# Altium PCB 主控板20160428.PcbDoc (part 1 of 2)
Units mm, origin at the board's own origin, x right, y up, seen from the top; angles counter-clockwise.
Board outline 105 x 80 mm, 2 copper layers (Top Layer, Bottom Layer); 169 components, 200 nets, 742 pads, 250 vias.
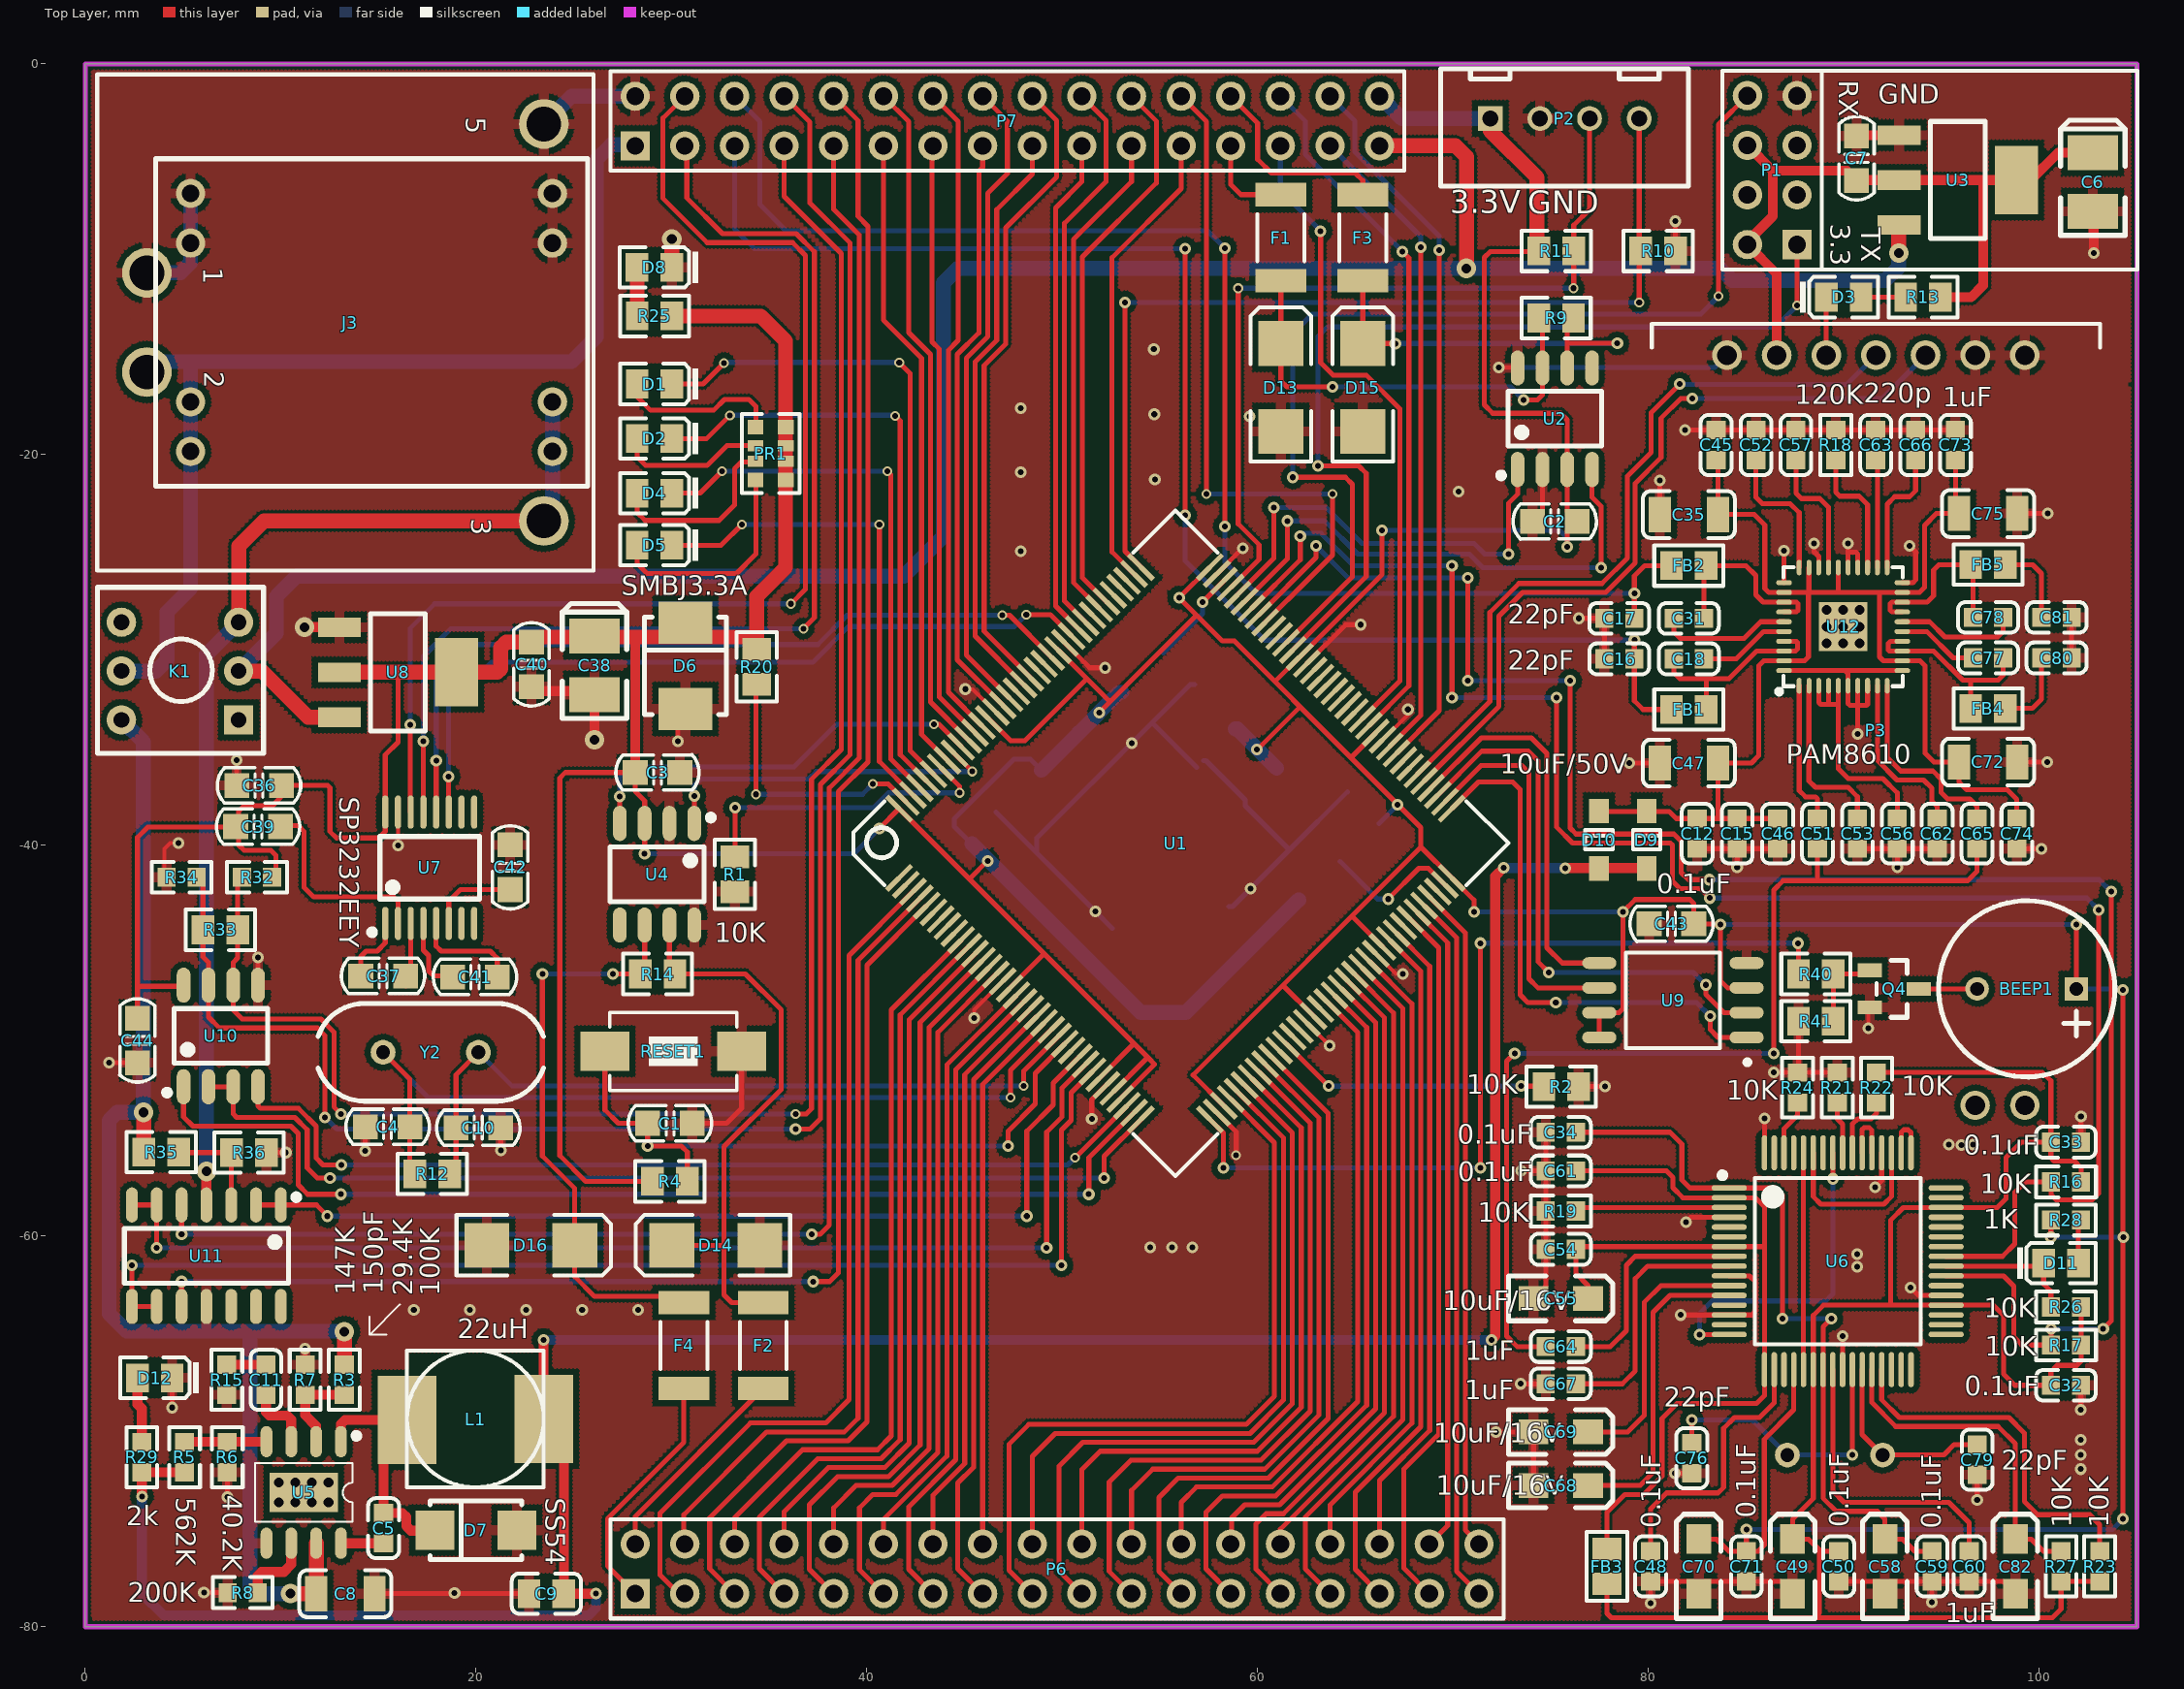
[diagram p0: Top Layer view]
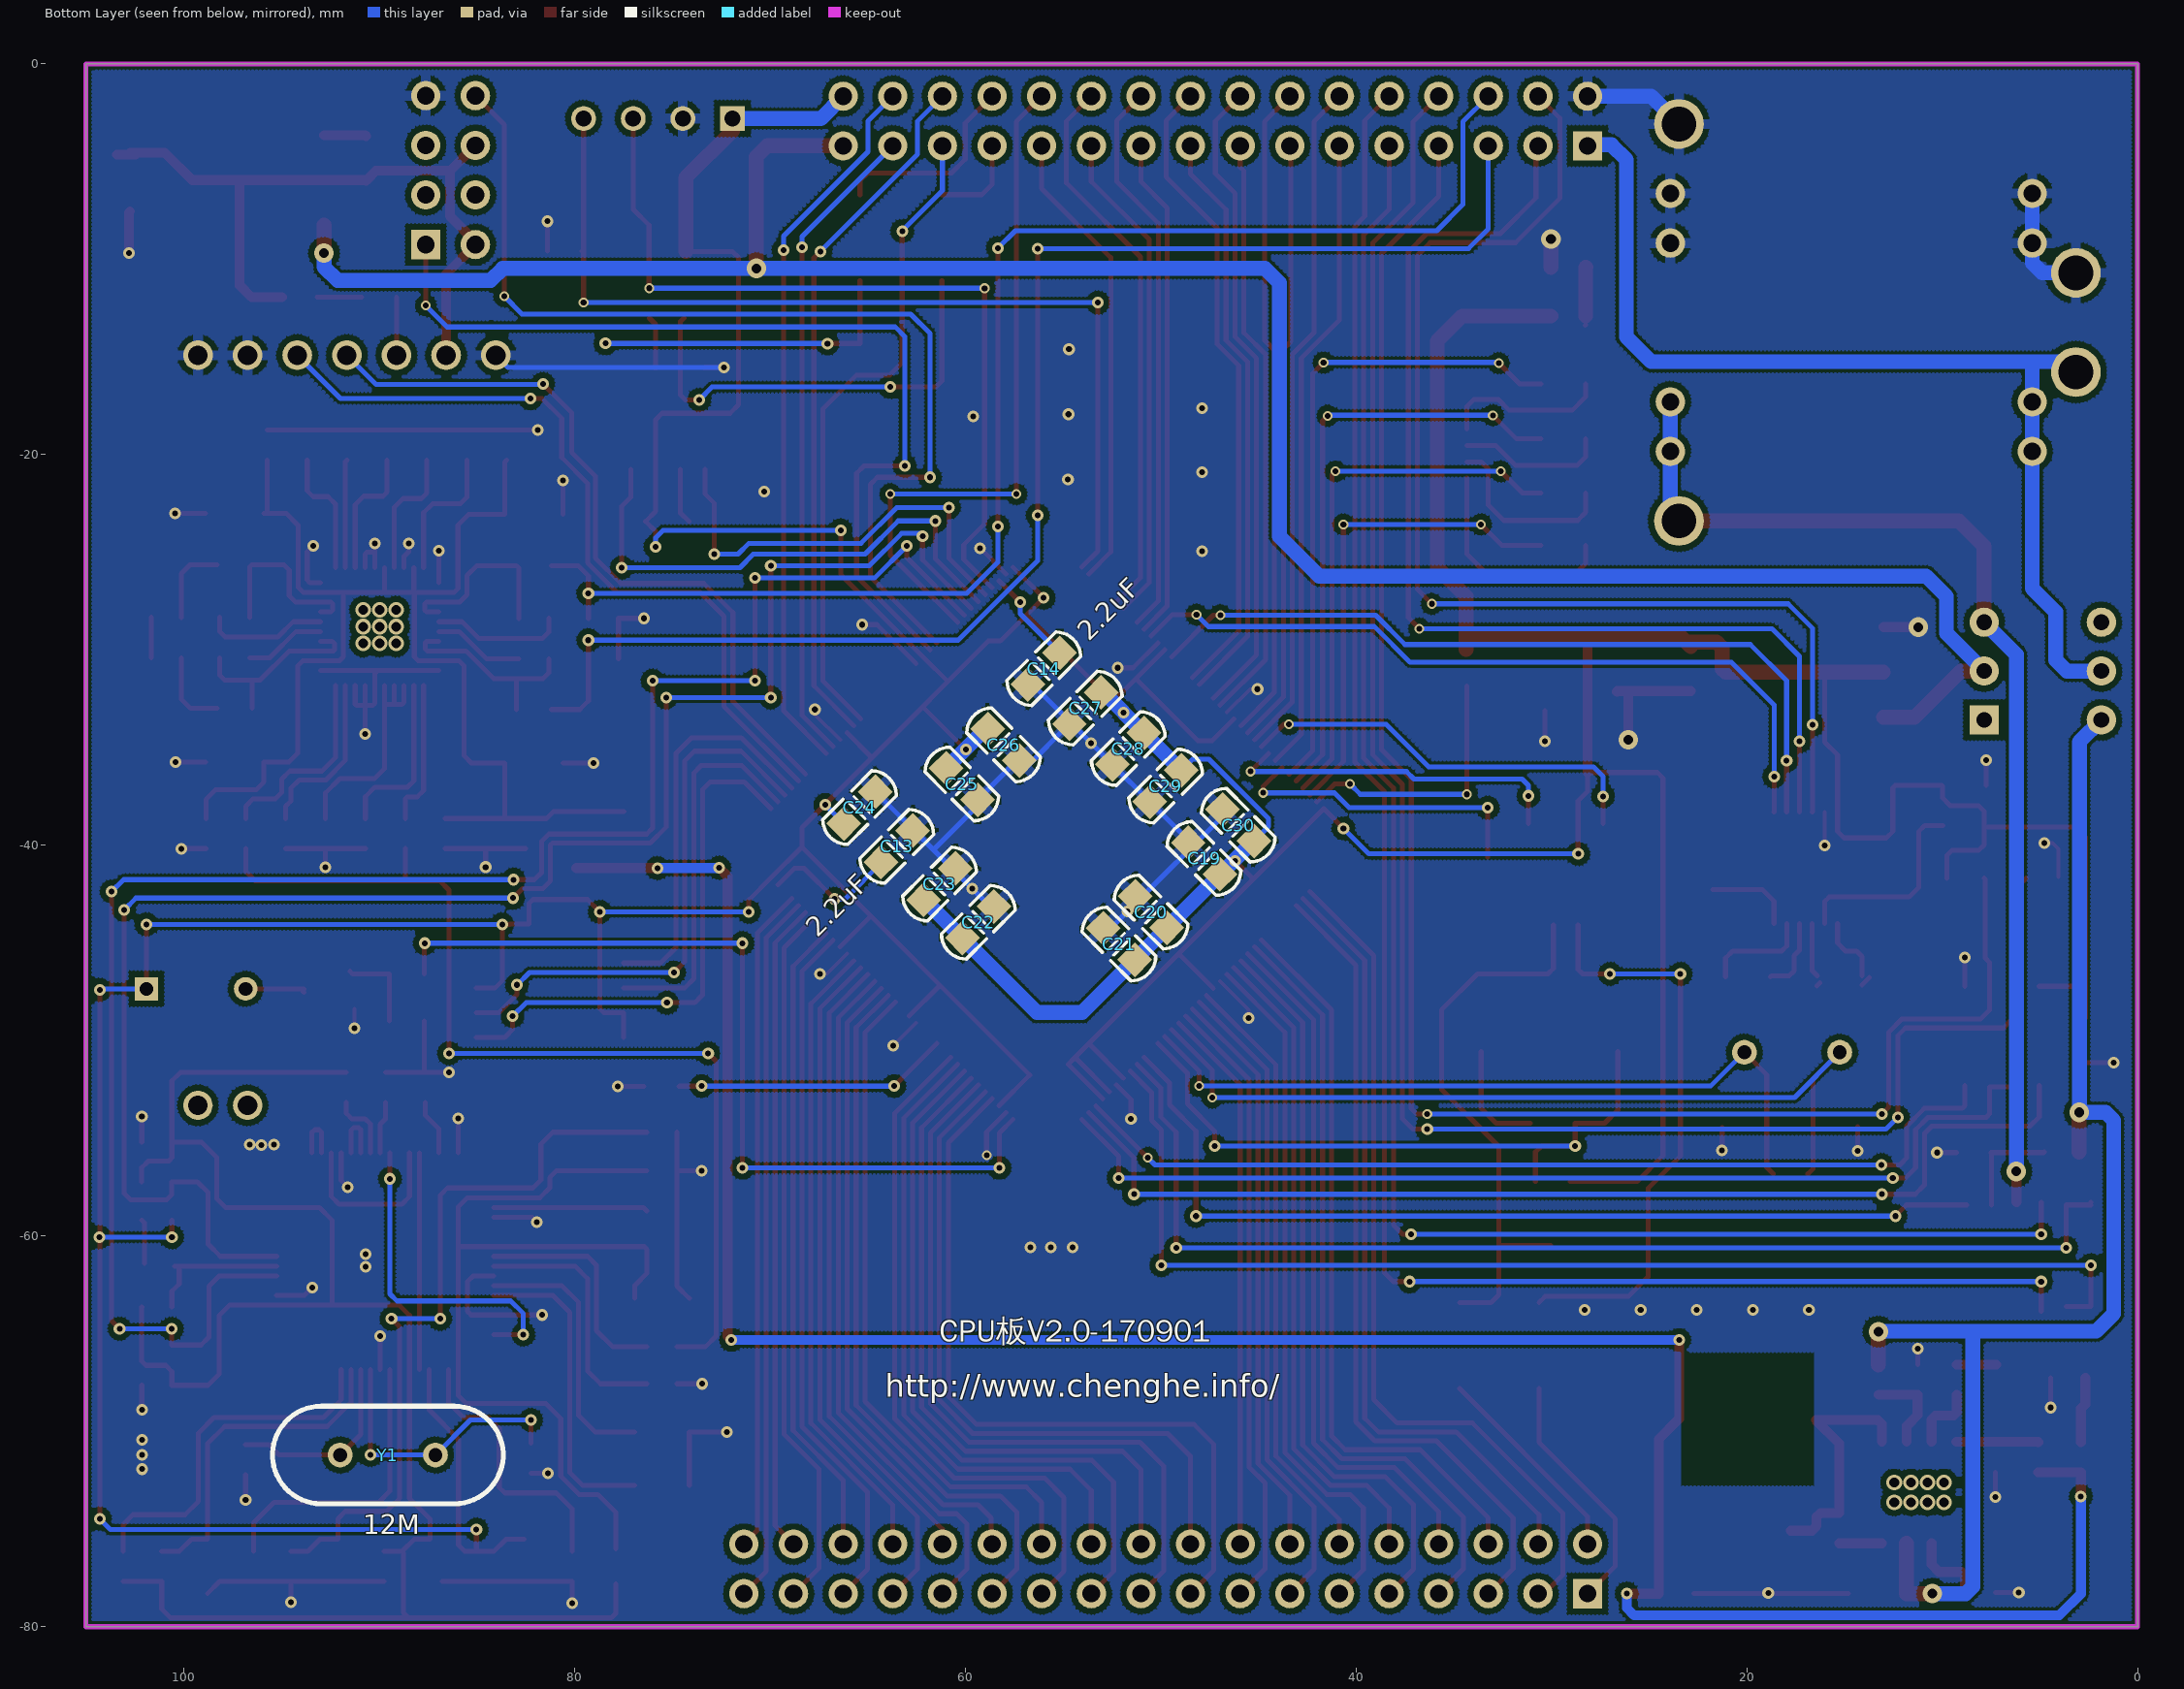
[diagram p1: Bottom Layer view, seen from below]
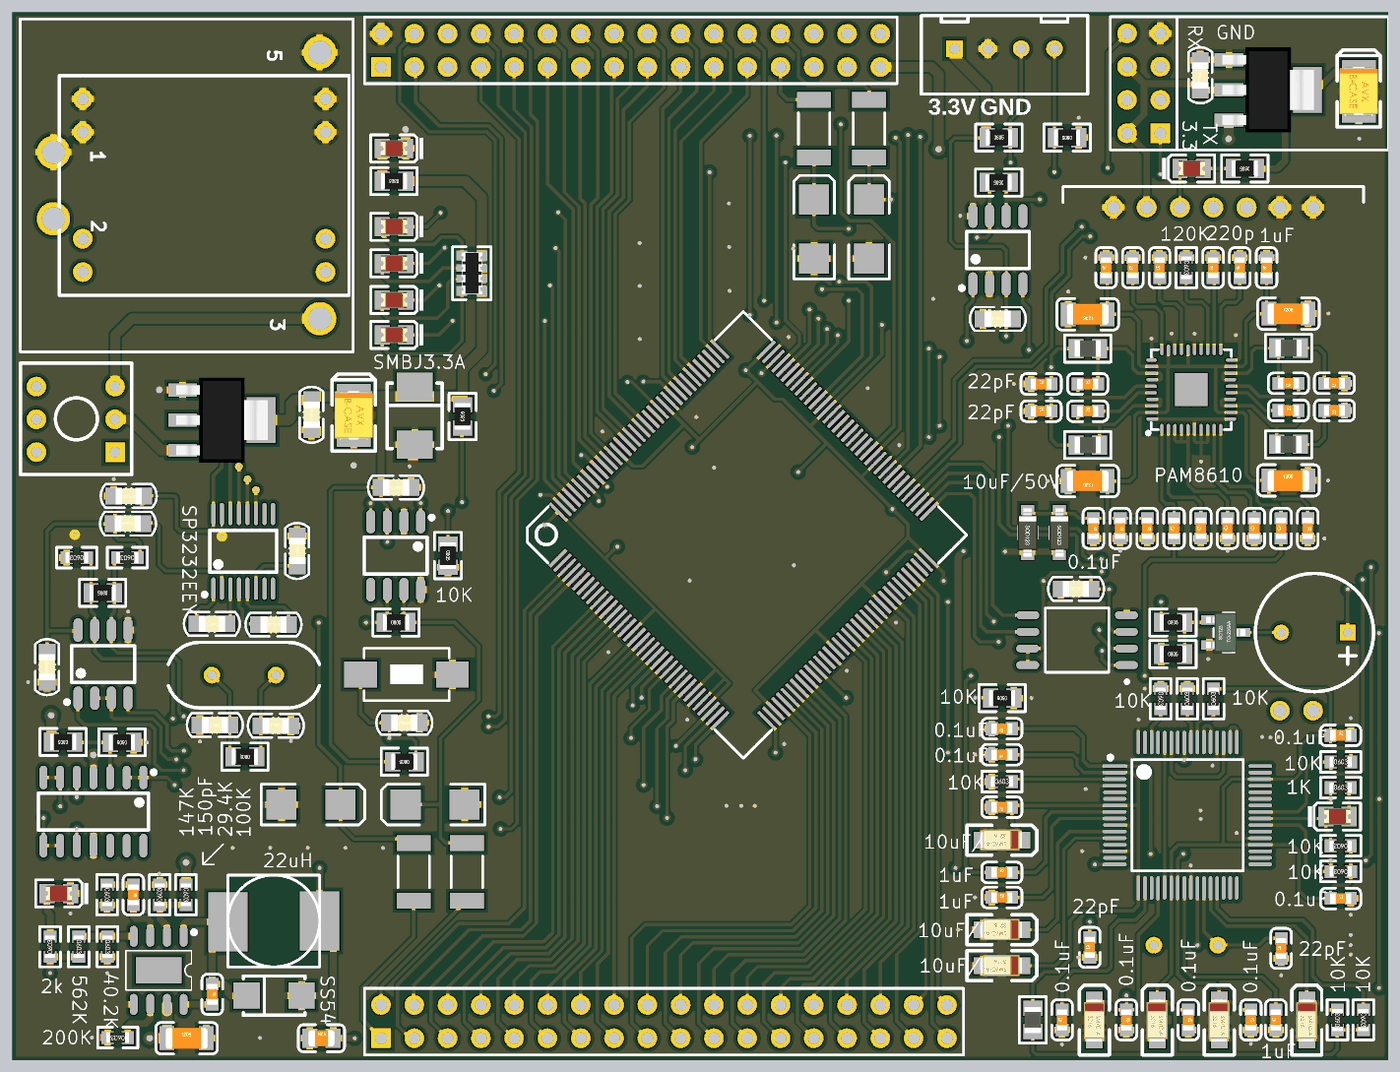
[diagram p3: 3D render of the assembled board from above, using the file's embedded part models]
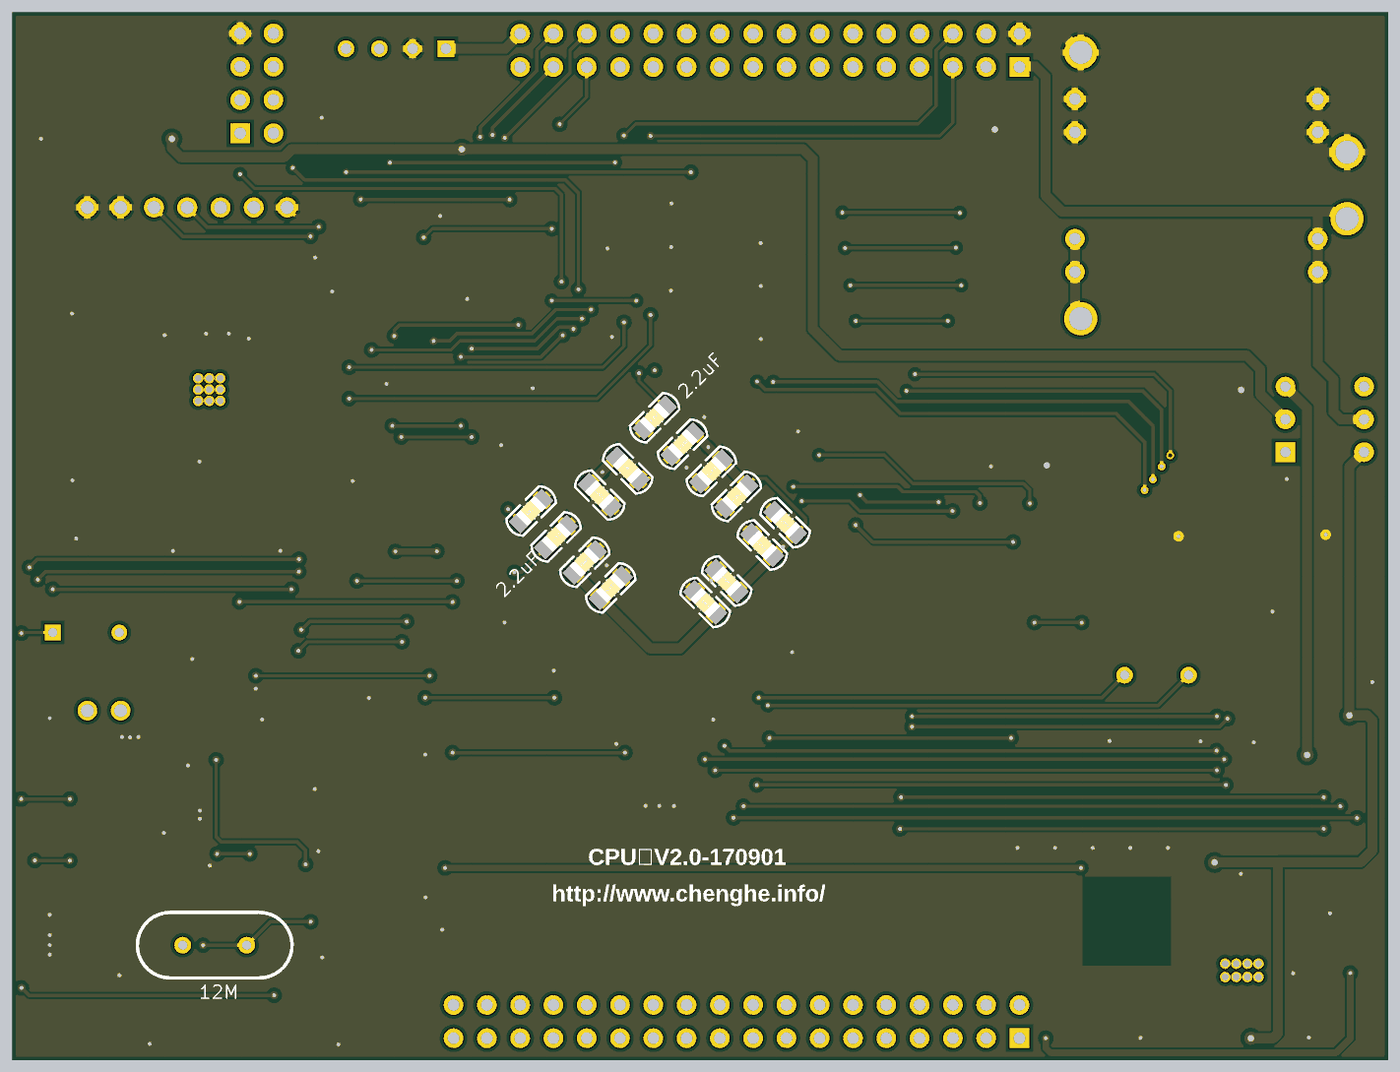
[diagram p4: 3D render of the assembled board from below, using the file's embedded part models]

## Layer stack, top to bottom
Top Layer: signal copper 0.0356
Dielectric: core 0.32, FR-4, Dk 4.8
Bottom Layer: signal copper 0.0356

## Board outline
0,0 105,0 105,-80 0,-80 0,0

## Design rules (kind name [scope] priority, off if disabled: settings)
Clearance ispad [IsPad vs InPolygon] p1: gap=0.3
Clearance isvia [IsVia vs InPolygon] p2: gap=0.3
Clearance [All] p3: gap=0.152
HoleToHoleClearance [All] p1: gap=0.102 allowstackedmicrovias=TRUE
MinimumSolderMaskSliver [All] p1: minsoldermaskwidth=0
PolygonConnect PolygonConnect_1 [IsVia] p1: connectstyle=Direct reliefconductorwidth=0.254 reliefentries=4 polygonreliefangle="90 Angle"
PolygonConnect [IsPad] p2: connectstyle=Relief reliefconductorwidth=0.508 reliefentries=4 polygonreliefangle="90 Angle"
RoutingVias [All] p1: holewidth=0.711 width=1.27 viastyle="Through Hole" minholewidth=0.25 minwidth=0.5 maxholewidth=0.711 maxwidth=1.27
SilkToSilkClearance [All] p1: silktosilkclearance=-1
SilkscreenOverComponentPads [IsPad] p1: minsilkscreentomaskgap=-1
SolderMaskExpansion [All] p1: expansion=0.102
Width [All] p1: maxlimit=2.54 minlimit=0.152 preferedwidth=0.254
24 further rules are at their usual default settings.

## Components (designator, comment, footprint, x,y, rotation, side; value= is the part's Value field where it differs from the comment)
BEEP1 "BEEP" BELL-5 101.905,-47.346 r180 top
C1 "0.1uF" C0805 29.921,-54.229 r0 top
C2 "104" C0805 75.209,-23.419 r180 top
C3 "104" C0805 29.286,-36.271 r0 top
C4 "22pF" C0805 15.469,-54.407 r0 top
C5 "0.1uF" 0603_C 15.265,-74.955 r270 top
C6 "100uF/6.3V" CASE-B_3528 102.743,-6.045 r90 top
C7 "0.1uF" C0805 90.653,-4.826 r270 top
C8 "10uF/50V" 1206_C 13.31,-78.308 r0 top
C9 "22uF/25V" 0805_C 23.597,-78.308 r0 top
C10 "22pF" C0805 20.117,-54.458 r180 top
C11 "150pF" 0603_C 9.246,-67.361 r270 top
C12 "0.1uF" 0603_C 82.499,-39.401 r270 top
C13 "2.2uF" C0805 63.495,-40.051 r135 bottom
C14 "2.2uF" C0805 55.977,-30.958 r315 bottom
C15 "1uF" 0603_C 84.541,-39.401 r270 top
C16 "22pF" 0603_C 78.511,-30.455 r0 top
C17 "22pF" 0603_C 78.511,-28.38 r0 top
C18 "1uF" 0603_C 82.067,-30.455 r0 top
C19 "0.1uF" C0805 47.773,-40.67 r225 bottom
C20 "0.1uF" C0805 50.484,-43.413 r225 bottom
C21 "0.1uF" C0805 52.125,-45.055 r225 bottom
C22 "0.1uF" C0805 59.33,-43.937 r315 bottom
C23 "0.1uF" C0805 61.311,-41.982 r315 bottom
C24 "0.1uF" C0805 65.4,-38.07 r315 bottom
C25 "0.1uF" C0805 60.168,-36.86 r45 bottom
C26 "0.1uF" C0805 58.034,-34.853 r45 bottom
C27 "0.1uF" C0805 53.853,-32.974 r135 bottom
C28 "0.1uF" C0805 51.652,-35.047 r135 bottom
C29 "0.1uF" C0805 49.738,-36.962 r135 bottom
C30 "0.1uF" C0805 46.02,-38.968 r225 bottom
C31 "1uF" 0603_C 82.067,-28.38 r0 top
C32 "0.1uF" 0603_C 101.367,-67.64 r0 top
C33 "0.1uF" 0603_C 101.367,-55.194 r0 top
C34 "0.1uF" 0603_C 75.514,-54.686 r180 top
C35 "10uF/50V" 1206_C 82.067,-23.063 r180 top
C36 "0.1uF" C0805 8.89,-36.932 r0 top
C37 "0.1uF" C0805 15.24,-46.685 r0 top
C38 "100uF/6.3V" CASE-B_3528 26.06,-30.785 r90 top
C39 "0.1uF" C0805 8.839,-39.04 r180 top
C40 "0.1uF" C0805 22.835,-30.734 r90 top
C41 "0.1uF" C0805 19.939,-46.736 r0 top
C42 "0.1uF" C0805 21.742,-41.123 r90 top
C43 "0.1uF" C0805 81.178,-44.018 r180 top
C44 "0.1uF" C0805 2.667,-49.987 r270 top
C45 "1uF" 0603_C 83.464,-19.507 r90 top
C46 "1uF" 0603_C 86.614,-39.401 r270 top
C47 "10uF/50V" 1206_C 82.067,-35.789 r180 top
C48 "0.1uF" 0603_C 80.112,-76.911 r90 top
C49 "10uF/16V" 3216 87.376,-76.911 r90 top
C50 "0.1uF" 0603_C 89.738,-76.911 r270 top
C51 "1uF" 0603_C 88.654,-39.401 r90 top
C52 "1uF" 0603_C 85.506,-19.507 r90 top
C53 "1uF" 0603_C 90.695,-39.401 r90 top
C54 "0.1uF" 0603_C 75.514,-60.681 r180 top
C55 "10uF/16V" 3216 75.514,-63.195 r0 top
C56 "1uF" 0603_C 92.735,-39.401 r90 top
C57 "1uF" 0603_C 87.547,-19.507 r90 top
C58 "10uF/16V" 3216 92.1,-76.911 r90 top
C59 "0.1uF" 0603_C 94.513,-76.911 r270 top
C60 "1uF" 0603_C 96.418,-76.911 r90 top
C61 "0.1uF" 0603_C 75.514,-56.667 r180 top
C62 "1uF" 0603_C 94.776,-39.401 r90 top
C63 "220p" 0603_C 91.63,-19.507 r90 top
C64 "1uF" 0603_C 75.514,-65.659 r0 top
C65 "1uF" 0603_C 96.816,-39.401 r90 top
C66 "1uF" 0603_C 93.672,-19.507 r90 top
C67 "1uF" 0603_C 75.514,-67.564 r0 top
C68 "10uF/16V" 3216 75.514,-72.771 r0 top
C69 "10uF/16V" 3216 75.514,-70.028 r0 top
C70 "10uF/16V" 3216 82.575,-76.911 r90 top
C71 "0.1uF" 0603_C 85.014,-76.911 r270 top
C72 "10uF/50V" 1206_C 97.384,-35.738 r0 top
C73 "1uF" 0603_C 95.714,-19.507 r90 top
C74 "1uF" 0603_C 98.857,-39.401 r270 top
C75 "10uF/50V" 1206_C 97.384,-23.012 r0 top
C76 "22pF" 0603_C 82.22,-71.374 r90 top
C77 "1uF" 0603_C 97.384,-30.404 r0 top
C78 "1uF" 0603_C 97.384,-28.33 r180 top
C79 "22pF" 0603_C 96.825,-71.45 r90 top
C80 "22pF" 0603_C 100.889,-30.404 r180 top
C81 "22pF" 0603_C 100.889,-28.33 r180 top
C82 "10uF/16V" 3216 98.781,-76.911 r90 top
D1 "红灯 0805" LC-0805_LED_S1 28.245,-16.383 r180 top
D2 "红灯 0805" LC-0805_LED_S1 28.245,-19.177 r180 top
D3 "红灯 0805" LC-0805_LED_S1 90.881,-11.938 r0 top
D4 "红灯 0805" LC-0805_LED_S1 28.245,-21.971 r180 top
D5 "红灯 0805" LC-0805_LED_S1 28.245,-24.638 r180 top
D6 "SMBJ3.3A" SMB(DO-214AA)_S1 30.709,-30.81 r270 top
D7 "SS54" SMA(DO-214AC)_S1 19.99,-75.057 r0 top
D8 "蓝灯 0805" LC-0805_LED_S1 28.237,-10.407 r180 top
D9 "B5819W  SL" SOD-123 79.907,-39.713 r270 top
D10 "B5819W  SL" SOD-123 77.469,-39.713 r270 top
D11 "红灯 0805" LC-0805_LED_S1 102.006,-61.392 r0 top
D12 "蓝灯 0805" LC-0805_LED_S1 2.667,-67.259 r180 top
D13 "D Schottky" SMB 61.189,-16.561 r90 top
D14 "D Schottky" SMB 32.273,-60.477 r180 top
D15 "D Schottky" SMB 65.38,-16.561 r90 top
D16 "D Schottky" SMB 22.799,-60.477 r0 top
F1 "Fuse 2" 12Z-2010 61.189,-8.89 r270 top
F2 "Fuse 2" 12Z-2010 34.696,-65.608 r90 top
F3 "Fuse 2" 12Z-2010 65.38,-8.89 r270 top
F4 "Fuse 2" 12Z-2010 30.632,-65.608 r90 top
FB1 "600Ω ±25% 100MHz" 0805_L 82.067,-33.043 r0 top
FB2 "600Ω ±25% 100MHz" 0805_L 82.067,-25.682 r180 top
FB3 "600Ω ±25% 100MHz" 0805_L 77.876,-76.911 r270 top
FB4 "600Ω ±25% 100MHz" 0805_L 97.384,-32.992 r180 top
FB5 "600Ω ±25% 100MHz" 0805_L 97.384,-25.631 r0 top
J3 "WD5-24S5A1" WD5-24S3V3 3.15,-10.693 r0 top locked
K1 "BUTTON" BTN8.5*8.5 7.849,-33.579 r180 top
L1 "22uH" L-7*7*4mm-S 16.459,-65.862 r0 top
P1 "WIFI" HDR2X4_CEN 87.605,-9.246 r90 top
P2 "Header 4H" IDE4 71.907,-2.794 r0 top
P3 "Header 7" AS50-T27 84.023,-14.91 r270 top locked
P6 "Header 18X2" HDR2X18 28.143,-78.308 r0 top
P7 "Header 16X2" HDR2X16 28.143,-4.191 r0 top
PR1 "1KΩ (102) ±5%" 0603_Rx4 35.077,-19.939 r270 top
Q4 "SS8050 Y1" SOT-23(SOT-23-3) 92.583,-47.346 r180 top
R1 "10K" 0805_R 33.249,-41.478 r270 top
R2 "10K" 0805_R 75.54,-52.349 r180 top
R3 "100K" 0603_R 13.259,-67.361 r270 top
R4 "10K" 0805_R 29.921,-57.201 r180 top
R5 "562K" 0603_R 5.08,-71.323 r270 top
R6 "40.2K" 0603_R 7.264,-71.323 r270 top
R7 "29.4K" 0603_R 11.252,-67.361 r90 top
R8 "200K" 0603_R 8.052,-78.257 r180 top
R9 "120R" 0805_R 75.277,-13.005 r180 top
R10 "10K" 0805_R 80.493,-9.576 r180 top
R11 "10K" 0805_R 75.286,-9.576 r0 top
R12 "1M" 0805_R 17.755,-56.82 r180 top
R13 "1k" 0805_R 94.056,-11.938 r180 top
R14 "120R" 0805_R 29.286,-46.584 r0 top
R15 "147K" 0603_R 7.239,-67.361 r270 top
R16 "10K" 0603_R 101.371,-57.226 r0 top
R17 "10K" 0603_R 101.371,-65.583 r180 top
R18 "120K" 0603_R 89.589,-19.507 r270 top
R19 "10K" 0603_R 75.514,-58.725 r0 top
R20 "0R" 0805_R 34.366,-30.861 r90 top
R21 "10K" 0603_R 89.662,-52.4 r90 top
R22 "10K" 0603_R 91.669,-52.4 r90 top
R23 "10K" 0603_R 103.099,-76.911 r270 top
R24 "10K" 0603_R 87.63,-52.4 r270 top
R25 "1k" 0805_R 29.134,-12.903 r180 top
R26 "10K" 0603_R 101.367,-63.627 r180 top
R27 "10K" 0603_R 101.117,-76.911 r90 top
R28 "1K" 0603_R 101.367,-59.182 r0 top
R29 "2k" 0603_R 2.896,-71.323 r90 top
R32 "360R" 0603_R 8.788,-41.631 r180 top
R33 "120R" 0805_R 6.909,-44.323 r180 top
R34 "360R" 0603_R 4.928,-41.631 r180 top
R35 "10K/1%" 0805_R 3.886,-55.702 r180 top
R36 "1K/1%" 0805_R 8.382,-55.728 r180 top
R40 "1K" 0805_R 88.57,-46.584 r0 top
R41 "10K" 0805_R 88.57,-48.997 r0 top
RESET1 "KEY_M" SW_PB2_A1 30.15,-50.546 r90 top
U1 "STM32F407ZET6" LQFP144 41.656,-41.656 r45 top locked
U2 "CAN/SN65HVD230DR" SOIC-8_150mil 75.209,-18.161 r0 top
U3 "AMS1117-3.3" SOT-223 95.834,-5.944 r180 top
U4 "CAN/SN65HVD230DR" SOIC-8_150mil 29.261,-41.478 r180 top
U5 "MP1584" LC-SOIC-8_EP_150MIL 11.176,-73.127 r180 top
U6 "XFS5152CE" LQFP-64_10x10x05P 89.687,-61.29 r270 top
U7 "SP3232EEY" TSSOP-16 17.628,-41.148 r0 top
U8 "AMS1117-3.3" SOT-223 16.002,-31.14 r180 top
U9 "W25Q128FVSIGTR" SOIC8_W 81.255,-47.93 r180 top
U10 "SP3485EN-L/TR" SOIC-8_150mil 6.934,-49.759 r0 top
U11 "LMV324IDR" SOIC-14_150mil 6.198,-61.011 r180 top
U12 "PAM8610" QFN50P600X600X80-40N 89.967,-28.804 r0 top
Y1 "12M" XTAL_US 87.109,-71.208 r0 bottom
Y2 "8MHz" XTAL_US 20.12,-50.597 r180 top
